# Allegro board trx_layout.brd (continued)
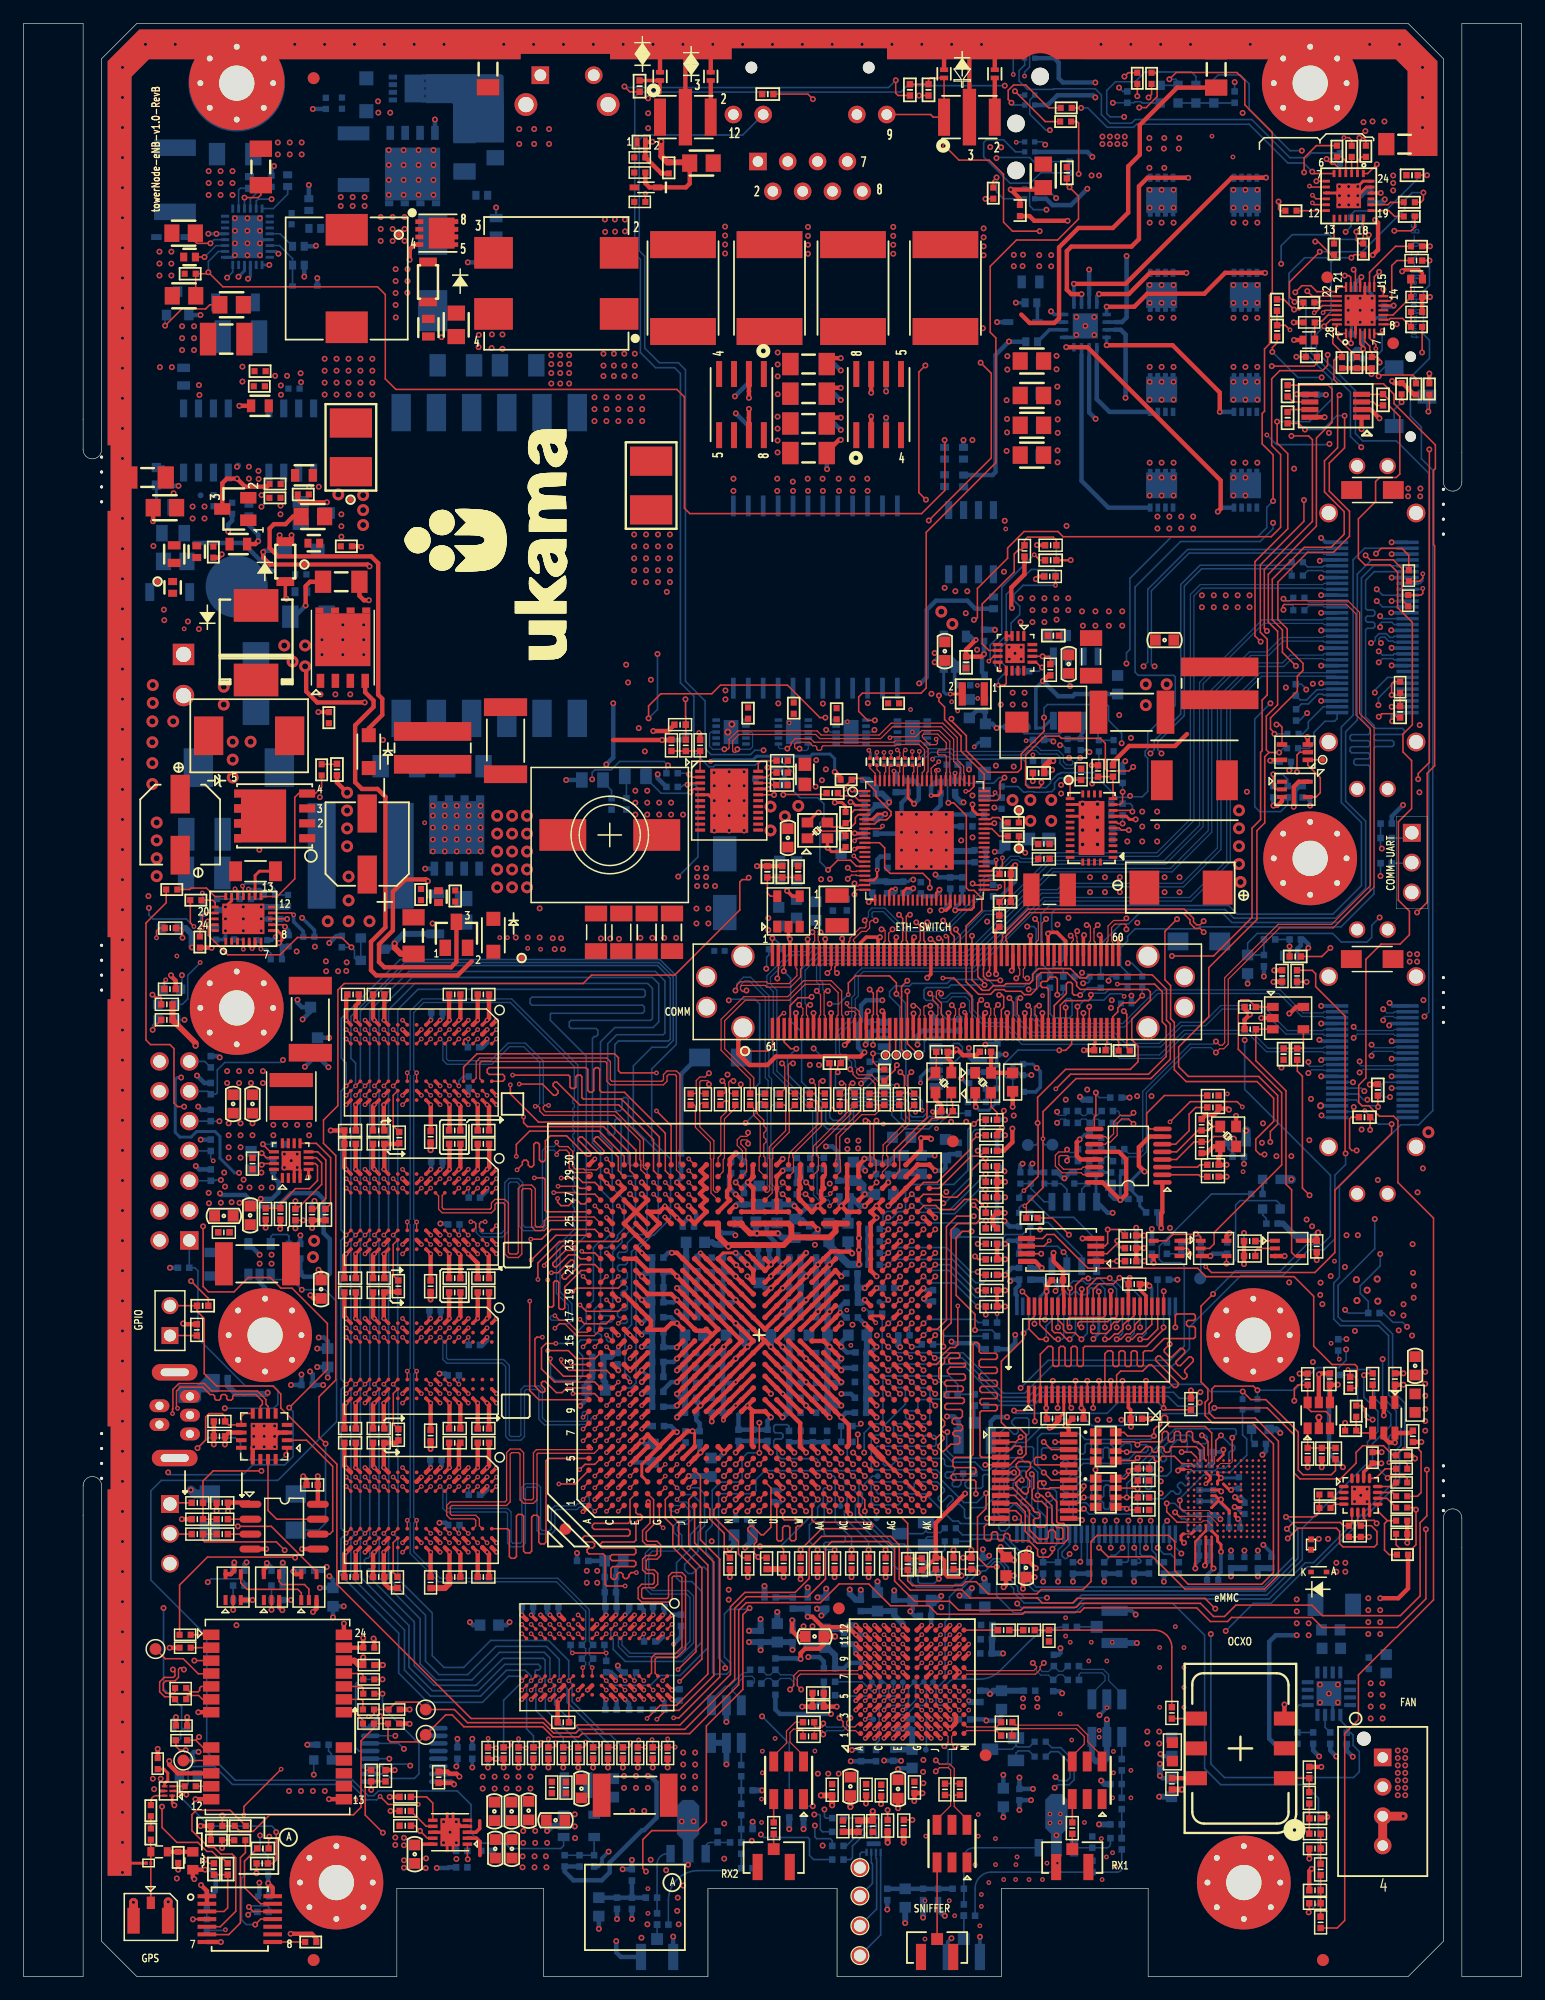
[diagram p0: board, top side]
## Routing (per net, layer and track width the routed paths; a pad name or vN(x,y) marks a point on that pad's centre or on a via; arc(x,y) is an arc through that point) (continued)
7130_DDR3_DQ9: length 29.6
  TOP w0.137: U1.G2 v2(54.67,41.61) ; U35.B8 v2(54.44,24.38)
  L6-SIGNAL w0.127: v2(54.67,41.61) 54.67,38.71 54.99,38.39 54.99,38 54.36,37.38 54.36,33.82 54.25,33.71 54.25,33.51 54.37,33.39 54.5,33.39 54.74,33.63 54.74,37.19 54.87,37.32 55,37.32 55.13,37.19 55.13,33.31 54.74,32.93 53.67,32.93 53.47,32.74 53.47,31.65 54.03,31.09 54.03,28.81 53.67,28.44 53.67,26.39 53.28,26.01 53.28,25.55 v2(54.44,24.38)
7130_DDR3_DQ10: length 29.6
  TOP w0.137: U35.C8 v2(53.64,24.38) ; U1.G3 v2(54.67,42.61)
  L6-SIGNAL w0.127: v2(54.67,42.61) 54.1,42.61 53.97,42.74 53.97,44.03 53.84,44.15 53.66,44.15 53.53,44.03 53.53,42.68 53.4,42.56 53.19,42.56 53.06,42.68 53.06,44.02 52.93,44.14 52.68,44.14 52.56,44.02 52.56,40.08 52.68,39.96 53.24,39.96 53.5,39.7 53.5,34.1 52.73,33.33 52.73,32.1 52.43,31.8 52.43,28.85 52.43,28.84 52.43,28.81 52.12,28.5 52.12,25.96 52.43,25.64 52.43,25.02 52.66,24.79 53.24,24.79 v2(53.64,24.38)
7130_DDR3_DQ11: length 29.6
  TOP w0.137: U35.A7 v2(54.44,25.18) ; U1.G4 v2(54.67,43.61)
  L6-SIGNAL w0.127: v2(54.67,43.61) 55.18,43.11 55.18,39.08 55.67,38.59 55.67,32.65 55.51,32.49 53.98,32.49 53.86,32.36 53.86,32.17 53.98,32.04 55.95,32.04 56.59,31.41 56.59,30.2 56.46,30.08 56.27,30.08 56.14,30.2 56.14,31.28 55.7,31.73 54.49,31.73 54.36,31.6 54.36,31.41 54.49,31.28 54.74,31.28 54.87,31.16 54.87,25.61 v2(54.44,25.18)
7130_DDR3_DQ12: length 29.6
  TOP w0.137: U35.A3 v2(55.24,29.18) ; U1.E1 52.17,39.5 52.32,39.35 52.56,39.35 52.71,39.19 52.71,38.99 52.56,38.84 52.32,38.84 52.17,38.69 52.17,37.15 52.02,37 49.31,37 49.16,36.85 49.16,36.64 49.31,36.49 52.02,36.49 52.17,36.34 52.17,36.07 52.02,35.92 50.13,35.92 49.98,35.77 49.98,35.56 50.13,35.41 52.02,35.41 52.17,35.26 52.17,35.05 52.02,34.9 50.2,34.9 50.05,34.75 50.05,33.97 50.2,33.82 50.4,33.82 50.55,33.97 50.55,34.24 50.71,34.39 50.91,34.39 51.06,34.24 51.06,34.04 51.21,33.89 51.42,33.89 51.57,34.04 51.57,34.2 51.77,34.39 v2(52.2,34.39)
  L3-SIGNAL w0.127: v2(52.2,34.39) 52.78,33.82 52.78,32.81 52.9,32.68 53.09,32.68 53.22,32.81 53.22,32.87 53.35,33 53.54,33 53.67,32.87 53.67,32.72 54.85,31.54 54.85,29.58 v2(55.24,29.18)
7130_DDR3_DQ13: length 29.6
  TOP w0.137: U1.E2 51.67,40.61 51.67,38.74 51.52,38.59 48.61,38.59 48.46,38.43 48.46,38.23 48.61,38.08 51.52,38.08 51.67,37.92 51.67,37.66 51.52,37.51 47.78,37.51 47.63,37.35 47.63,37.15 47.78,37 48.5,37 48.65,36.85 48.65,36.64 48.5,36.49 48.17,36.49 48.01,36.34 48.01,36.13 48.17,35.98 49.39,35.98 49.54,35.83 49.54,33.4 49.69,33.25 v2(51.25,33.25) ; U35.C2 v2(53.64,29.98)
  L3-SIGNAL w0.127: v2(51.25,33.25) 51.25,32.93 51.14,32.82 51.14,32.49 51.04,32.39 50.93,32.39 50.86,32.31 50.86,29.67 50.96,29.57 53.23,29.57 v2(53.64,29.98)
7130_DDR3_DQ14: length 29.6
  TOP w0.137: U35.C3 v2(53.64,29.18) ; U1.E4 v2(51.67,42.61)
  L3-SIGNAL w0.127: v2(53.64,29.18) 54.03,29.57 54.03,31.16 53.91,31.28 51.38,31.28 51.25,31.41 51.25,31.66 51.38,31.79 53.54,31.79 53.67,31.92 53.67,32.11 53.54,32.24 51.7,32.24 51.57,32.36 51.57,32.62 51.7,32.74 52.25,32.74 52.38,32.87 52.38,33.12 52.25,33.25 51.89,33.25 51.82,33.31 51.82,33.63 51.7,33.76 50.87,33.76 50.74,33.63 50.74,33.06 50.36,32.68 50.36,31.92 50.24,31.79 49.6,31.79 49.47,31.92 49.47,32.04 49.6,32.17 49.86,32.17 49.98,32.3 49.98,32.81 50.24,33.06 50.24,35.46 51.14,36.36 51.14,42.08 v2(51.67,42.61)
7130_DDR3_DQ15: length 29.6
  TOP w0.137: U35.A2 v2(55.24,29.98) ; U1.E3 v2(51.67,41.61)
  L6-SIGNAL w0.127: v2(51.67,41.61) 51.67,32.69 50.82,31.84 50.82,28.2 51.66,27.36 51.66,24.19 51.89,23.96 54.64,23.96 54.83,24.15 54.83,24.52 55.37,25.06 55.37,27.29 56.01,27.94 56.01,29.63 55.66,29.98 v2(55.24,29.98)
7130_DDR3_DQ16: length 29.6
  TOP w0.137: U1.D1 v2(50.67,39.61) ; U30.H8 v2(34.69,36.93)
  L6-SIGNAL w0.127: v2(50.67,39.61) 50.67,36.69 50.54,36.56 50.24,36.56 50.11,36.69 50.11,37.25 49.98,37.38 49.66,37.38 49.54,37.25 49.54,36.74 49.41,36.62 49.16,36.62 49.03,36.74 49.03,37.25 48.9,37.38 48.71,37.38 48.59,37.25 48.59,36.74 48.46,36.62 48.2,36.62 48.08,36.74 48.08,37.16 47.95,37.29 45.41,37.29 45.28,37.16 45.28,36.49 45.16,36.36 44.78,36.36 44.65,36.49 44.65,37.16 44.52,37.29 44.14,37.29 44.01,37.16 44.01,36.49 43.89,36.36 43.57,36.36 43.44,36.49 43.44,37.16 43.31,37.29 42.93,37.29 42.81,37.16 42.81,36.49 42.68,36.36 42.36,36.36 42.24,36.49 42.24,37.16 42.11,37.29 41.73,37.29 41.6,37.16 41.6,36.5 41.47,36.38 41.09,36.38 40.97,36.5 40.97,37.16 40.81,37.32 35.08,37.32 v2(34.69,36.93)
7130_DDR3_DQ17: length 29.6
  TOP w0.137: U1.D2 v2(50.67,40.61) ; U30.F7 v2(36.29,37.73)
  L6-SIGNAL w0.127: v2(36.29,37.73) 36.29,38.04 36.73,38.48 40.88,38.48 41,38.35 41,37.95 41.13,37.82 41.49,37.82 41.61,37.95 41.61,38.61 41.74,38.74 42.1,38.74 42.22,38.61 42.22,37.95 42.35,37.82 42.7,37.82 42.83,37.95 42.83,38.61 42.96,38.74 43.31,38.74 43.44,38.61 43.44,37.95 43.57,37.82 43.92,37.82 44.05,37.95 44.05,38.61 44.18,38.74 44.53,38.74 44.66,38.61 44.66,37.95 44.79,37.82 45.14,37.82 45.27,37.95 45.27,38.61 45.4,38.74 45.75,38.74 45.88,38.61 45.88,37.95 46,37.82 46.36,37.82 46.49,37.95 46.49,38.61 46.62,38.74 46.97,38.74 47.1,38.61 47.1,37.95 47.23,37.82 47.58,37.82 47.71,37.95 47.71,38.53 47.84,38.66 48.19,38.66 48.32,38.53 48.32,37.95 48.45,37.82 48.8,37.82 48.93,37.95 48.93,38.61 49.05,38.74 49.41,38.74 49.54,38.61 49.54,37.95 49.66,37.82 50.04,37.82 50.17,37.95 50.17,40.11 v2(50.67,40.61)
7130_DDR3_DQ18: length 29.6
  TOP w0.137: U1.C2 v2(49.67,40.61) ; U30.H7 v2(34.69,37.73)
  L6-SIGNAL w0.127: v2(34.69,37.73) 34.69,39.5 35,39.8 40.5,39.8 40.62,39.68 40.62,39.47 40.5,39.35 35.87,39.35 35.75,39.22 35.75,39.02 35.87,38.89 40.85,38.89 41.16,39.19 48.93,39.19 49.16,39.42 49.16,40.1 v2(49.67,40.61)
7130_DDR3_DQ19: length 29.6
  TOP w0.137: U30.F8 v2(36.29,36.93) ; U1.C1 v2(49.67,39.61)
  L3-SIGNAL w0.127: v2(49.67,39.61) 49.67,36.62 49.8,36.49 50.05,36.49 50.17,36.62 50.17,38.9 50.3,39.03 50.55,39.03 50.68,38.9 50.68,36.49 49.86,35.66 49.86,33.31 49.22,32.68 47.38,32.68 44.52,35.54 37.09,35.54 36.69,35.94 36.69,36.53 v2(36.29,36.93)
7130_DDR3_DQ20: length 29.6
  TOP w0.137: v2(34.69,41.73) 34.29,41.33 U30.H3 ; U1.A3 v2(47.67,41.61)
  L6-SIGNAL w0.127: v2(34.69,41.73) 35.09,41.33 40.34,41.33 40.47,41.2 40.47,40.92 40.34,40.79 34.73,40.79 34.6,40.67 34.6,40.39 34.73,40.26 42.76,40.26 43.29,39.73 46.64,39.73 47.02,40.11 48.01,40.11 48.17,40.26 48.17,41.46 48.01,41.61 v2(47.67,41.61)
7130_DDR3_DQ21: length 29.6
  TOP w0.137: v2(37.09,41.73) 36.69,41.33 U30.E3 ; U1.B3 v2(48.67,41.61)
  L6-SIGNAL w0.127: v2(48.67,41.61) 48.14,42.14 47.3,42.14 45.35,40.19 43.54,40.19 43.39,40.34 43.39,40.57 43.54,40.72 44.28,40.72 44.43,40.87 44.43,41.1 44.28,41.25 40.98,41.25 40.85,41.38 40.85,41.66 40.98,41.79 44.31,41.79 44.43,41.91 44.43,42.19 44.31,42.32 41.28,42.32 41.16,42.45 41.16,42.73 41.28,42.85 42.55,42.85 42.68,42.98 42.68,43.26 42.55,43.39 40.98,43.39 40.85,43.26 40.85,43.06 40.72,42.93 37.62,42.93 37.5,42.8 37.5,42.13 v2(37.09,41.73)
7130_DDR3_DQ22: length 29.6
  TOP w0.137: U1.A4 46.99,41.94 v2(45.6,41.94) ; U30.G2 v2(35.49,42.53)
  L6-SIGNAL w0.127: v2(35.49,42.53) 35.9,42.93 35.9,44.55 36.02,44.68 40.4,44.68 40.53,44.81 40.53,45.16 40.4,45.29 36.02,45.29 35.9,45.42 35.9,45.76 36.02,45.89 45.45,45.89 45.6,45.74 v2(45.6,41.94)
7130_DDR3_DQ23: length 29.6
  TOP w0.137: U1.B4 v2(48.67,42.61) ; U30.F2 v2(36.29,42.53)
  L6-SIGNAL w0.127: v2(36.29,42.53) 36.7,42.94 36.7,43.94 36.83,44.07 40.88,44.07 41,44.2 41,45.16 41.13,45.29 44.99,45.29 45.12,45.16 45.12,44.81 44.99,44.68 41.59,44.68 41.46,44.55 41.46,44.2 41.59,44.07 44.91,44.07 45.04,43.94 45.04,43.59 44.91,43.46 43.79,43.46 43.66,43.33 43.66,42.98 43.79,42.85 44.84,42.85 44.97,42.73 44.97,41.63 45.22,41.38 45.79,41.38 47.02,42.61 v2(48.67,42.61)
7130_DDR3_DQ24: length 29.6
  TOP w0.137: U30.D7 v2(37.89,37.73) ; U1.B5 48.67,43.61 47.83,43.61 v2(47.38,43.16)
  L3-SIGNAL w0.127: v2(37.89,37.73) 37.89,38.84 38.02,38.97 42.09,38.97 42.22,39.09 42.22,39.45 42.09,39.58 36.1,39.58 35.97,39.7 35.97,40.06 36.1,40.19 46.51,40.19 46.64,40.31 46.64,43.03 46.77,43.16 v2(47.38,43.16)
7130_DDR3_DQ25: length 29.6
  TOP w0.137: U1.A5 44.71,44.11 44.51,43.91 44.51,36.98 44.36,36.83 44.05,36.83 43.9,36.98 43.9,39.12 43.75,39.27 43.44,39.27 43.29,39.12 43.29,36.22 43.14,36.07 42.76,36.07 42.6,36.22 42.6,39.19 42.45,39.35 42.15,39.35 41.99,39.19 41.99,35.77 41.84,35.61 41.54,35.61 41.38,35.77 41.38,37.98 41.23,38.13 U30.A7
7130_DDR3_DQ26: length 29.6
  TOP w0.137: U30.C8 v2(38.69,36.93) ; U1.C5 v2(49.67,43.61)
  L3-SIGNAL w0.127: v2(38.69,36.93) 38.69,38.33 38.82,38.46 42.11,38.46 42.24,38.33 42.24,37.72 42.36,37.59 42.68,37.59 42.81,37.72 42.81,39.47 42.93,39.6 47.12,39.6 47.25,39.47 47.25,39.16 47.12,39.03 43.57,39.03 43.44,38.9 43.44,38.65 43.57,38.52 48.08,38.52 48.2,38.65 48.2,43.49 48.33,43.61 v2(49.67,43.61)
7130_DDR3_DQ27: length 29.6
  TOP w0.137: U30.B8 v2(39.49,36.93) ; U1.D5 v2(50.67,43.61)
  L3-SIGNAL w0.127: v2(50.67,43.61) 50.15,43.09 49.28,43.09 49.16,42.96 49.16,37.51 49.03,37.38 48.71,37.38 48.59,37.51 48.59,37.89 48.46,38.01 48.2,38.01 48.08,37.89 48.08,37.51 47.95,37.38 47.63,37.38 47.51,37.51 47.51,37.89 47.38,38.01 47.06,38.01 46.93,37.89 46.93,37.51 46.81,37.38 46.49,37.38 46.36,37.51 46.36,37.89 46.24,38.01 45.85,38.01 45.73,37.89 45.73,37.51 45.6,37.38 45.22,37.38 45.09,37.51 45.09,37.89 44.97,38.01 44.58,38.01 44.46,37.89 44.46,36.43 44.33,36.3 43.95,36.3 43.82,36.43 43.82,37.44 43.7,37.57 43.31,37.57 43.19,37.44 43.19,36.3 43.06,36.17 42.68,36.17 42.55,36.3 42.55,36.93 42.43,37.06 41.98,37.06 41.85,36.93 41.85,36.24 41.73,36.11 41.41,36.11 41.28,36.24 41.28,37.76 41.16,37.89 39.62,37.89 39.49,37.76 v2(39.49,36.93)
7130_DDR3_DQ28: length 29.6
  TOP w0.137: U30.C3 v2(38.69,41.73) ; U1.B7 v2(48.67,45.61)
  L3-SIGNAL w0.127: v2(48.67,45.61) 48.2,45.14 44.46,45.14 44.33,45.27 44.33,45.7 44.2,45.82 41.22,45.82 41.09,45.7 41.09,45.44 41.22,45.32 43.7,45.32 43.82,45.19 43.82,44.94 43.7,44.81 41.22,44.81 41.09,44.68 41.09,44.43 41.22,44.3 45.49,44.3 45.62,44.17 45.62,43.92 45.49,43.79 41.47,43.79 41.35,43.67 41.35,42.24 41.22,42.12 39.08,42.12 v2(38.69,41.73)
7130_DDR3_DQ29: length 29.6
  TOP w0.137: U1.A7 v2(47.67,45.61) ; U30.A2 v2(40.29,42.53)
  L3-SIGNAL w0.127: v2(47.67,45.61) 44.97,45.61 44.84,45.74 44.84,47.22 44.71,47.35 39.76,47.35 39.63,47.22 39.63,46.97 39.76,46.84 44.2,46.84 44.33,46.71 44.33,46.46 44.2,46.33 39.76,46.33 39.63,46.21 39.63,45.95 39.76,45.82 40.47,45.82 40.59,45.7 40.59,45.44 40.47,45.32 39.76,45.32 39.63,45.19 39.63,44.94 39.76,44.81 40.52,44.81 40.65,44.68 40.65,44.43 40.52,44.3 39.76,44.3 39.63,44.17 39.63,43.92 39.76,43.79 40.71,43.79 40.84,43.67 40.84,42.66 40.71,42.53 v2(40.29,42.53)
7130_DDR3_DQ30: length 29.6
  TOP w0.137: v2(40.29,41.73) U30.A3 ; U1.C7 v2(49.67,45.61)
  L3-SIGNAL w0.127: v2(49.67,45.61) 48.61,44.55 47.19,44.55 45.92,43.28 45.92,42.82 45.79,42.69 45.54,42.69 45.41,42.82 45.41,43.16 45.28,43.28 45.03,43.28 44.9,43.16 44.9,40.93 44.78,40.81 44.52,40.81 44.39,40.93 44.39,43.16 44.27,43.28 44.01,43.28 43.89,43.16 43.89,40.93 43.76,40.81 43.51,40.81 43.38,40.93 43.38,43.16 43.25,43.28 43,43.28 42.87,43.16 42.87,40.93 42.74,40.81 42.49,40.81 42.36,40.93 42.36,43.16 42.24,43.28 41.98,43.28 41.85,43.16 41.85,40.93 41.73,40.81 41.47,40.81 41.35,40.93 41.35,41.6 41.22,41.73 v2(40.29,41.73)
7130_DDR3_DQ31: length 29.6
  TOP w0.137: U1.D7 v2(50.67,45.61) ; U30.C2 v2(38.69,42.53)
  L3-SIGNAL w0.127: v2(38.69,42.53) 39.1,42.94 39.1,47.73 39.23,47.86 41.09,47.86 41.22,47.98 41.22,51.22 41.09,51.35 40.33,51.35 40.2,51.48 40.2,51.73 40.33,51.86 41.6,51.86 41.73,51.73 41.73,48.49 41.85,48.36 45.22,48.36 45.35,48.24 45.35,46.27 45.47,46.14 50.14,46.14 v2(50.67,45.61)
7130_DDR3_DQ32: length 29.6
  TOP w0.137: v2(43.21,62.78) 44.13,62.78 44.96,63.61 48.67,63.61 U1.B24
  TOP w0.305: U15.H7 v2(34.69,63.13)
  L3-SIGNAL w0.127: v2(34.69,63.13) 35.08,62.74 40.65,62.74 40.77,62.61 40.77,61.32 40.9,61.19 41.09,61.19 41.22,61.32 41.22,62.97 41.35,63.1 41.54,63.1 41.66,62.97 41.66,61.32 41.79,61.19 41.98,61.19 42.11,61.32 42.11,62.97 42.24,63.1 42.49,63.1 42.62,62.97 42.62,61.76 42.74,61.64 44.84,61.64 44.97,61.76 44.97,62.91 44.84,63.03 44.65,63.03 44.52,62.91 44.52,62.31 44.39,62.18 44.2,62.18 44.08,62.31 44.08,62.65 43.95,62.78 v2(43.21,62.78)
7130_DDR3_DQ33: length 29.6
  TOP w0.137: U15.F7 v2(36.29,63.13) ; v2(43.25,61) 45.36,63.11 U1.A24
  L6-SIGNAL w0.127: v2(43.25,61) 43.25,58.97 43.7,58.52 43.7,57.25 42.04,55.6 38.55,55.6 38.3,55.86 38.3,56.37 37.66,57 37.66,60.05 37.54,60.18 37.35,60.18 37.22,60.05 37.22,57.91 37.09,57.79 36.81,57.79 36.69,57.91 36.69,62.73 v2(36.29,63.13)
7130_DDR3_DQ34: length 29.6
  TOP w0.137: v2(43.82,59.35) 43.82,60.76 45.65,62.59 50.65,62.59 U1.D24 ; U15.H8 v2(34.69,62.33)
  L6-SIGNAL w0.127: v2(43.82,59.35) 44.19,58.99 44.19,56.65 42.35,54.82 36.86,54.82 36.71,54.97 36.71,57 35.06,58.65 35.06,61.96 v2(34.69,62.33)
7130_DDR3_DQ35: length 29.6
  TOP w0.137: U15.F8 v2(36.29,62.33) ; U1.C24 v2(49.67,63.61)
  L3-SIGNAL w0.127: v2(49.67,63.61) 48.21,63.61 47.06,62.46 47.06,59.67 47.06,59.66 47.06,59.22 46.94,59.1 46.62,59.1 46.49,59.22 46.49,62.97 46.36,63.1 46.05,63.1 45.92,62.97 45.92,58.71 45.79,58.59 43.44,58.59 43.31,58.71 43.31,60.12 42.69,60.75 36.83,60.75 36.7,60.88 36.7,61.92 v2(36.29,62.33)
7130_DDR3_DQ36: length 29.6
  TOP w0.137: v2(48.67,65.61) U1.B26 ; U15.E3 36.69,66.73 v2(37.09,67.13)
  L3-SIGNAL w0.127: v2(37.09,67.13) 37.09,65 37.22,64.87 37.54,64.87 37.66,65 37.66,65.64 37.79,65.76 38.11,65.76 38.23,65.64 38.23,65 38.36,64.87 38.68,64.87 38.81,65 38.81,65.64 38.93,65.76 39.25,65.76 39.38,65.64 39.38,65 39.5,64.87 39.76,64.87 39.89,65 39.89,65.64 40.01,65.76 40.33,65.76 40.46,65.64 40.46,64.75 40.58,64.62 40.84,64.62 40.97,64.75 40.97,65.64 41.09,65.76 41.35,65.76 41.47,65.64 41.47,64.24 41.6,64.11 41.85,64.11 41.98,64.24 41.98,65.64 42.11,65.76 42.36,65.76 42.49,65.64 42.49,64.24 42.62,64.11 42.87,64.11 43,64.24 43,65.64 43.12,65.76 43.38,65.76 43.51,65.64 43.51,64.18 43.63,64.05 43.89,64.05 44.01,64.18 44.01,65.36 44.14,65.48 48.54,65.48 v2(48.67,65.61)
7130_DDR3_DQ37: length 29.6
  TOP w0.137: U15.H3 34.29,66.73 v2(34.69,67.13) ; v2(43.52,68) 44.31,68 44.43,67.87 44.43,65.24 44.56,65.11 U1.A26
  L6-SIGNAL w0.127: v2(43.52,68) 42.83,68 40.85,66.02 38.36,66.02 38.23,65.89 38.23,65.66 38.11,65.53 37.85,65.53 37.73,65.66 37.73,66.5 37.6,66.63 37.35,66.63 37.22,66.5 37.22,65 37.09,64.87 36.84,64.87 36.71,65 36.71,66.5 36.58,66.63 36.33,66.63 36.2,66.5 36.2,65 36.08,64.87 35.82,64.87 35.69,65 35.69,66.78 35.57,66.91 35.31,66.91 35.19,66.78 35.19,65 35.06,64.87 34.82,64.87 34.69,65 v2(34.69,67.13)
7130_DDR3_DQ38: length 29.6
  TOP w0.137: v2(35.49,67.93) U15.G2 ; U1.D26 v2(50.67,65.61)
  L3-SIGNAL w0.127: v2(50.67,65.61) 50.1,65.05 46.68,65.05 46.55,64.92 46.55,63.86 46.43,63.73 46.11,63.73 45.98,63.86 45.98,64.92 45.85,65.05 45.6,65.05 45.47,64.92 45.47,63.81 45.35,63.68 45.09,63.68 44.97,63.81 44.97,64.92 44.84,65.05 44.58,65.05 44.46,64.92 44.46,63.67 44.33,63.54 36.71,63.54 36.58,63.67 36.58,66.08 36.46,66.21 36.2,66.21 36.08,66.08 36.08,64.94 35.95,64.81 35.62,64.81 35.49,64.94 v2(35.49,67.93)
7130_DDR3_DQ39: length 29.6
  TOP w0.137: v2(36.29,67.93) U15.F2 ; v2(49.67,65.61) U1.C26
  L3-SIGNAL w0.127: v2(49.67,65.61) 49.67,66.39 48.9,67.16 48.33,67.16 48.2,67.29 48.2,67.82 48.08,67.95 47.76,67.95 47.63,67.82 47.63,66.33 47.51,66.21 47.19,66.21 47.06,66.33 47.06,67.41 46.93,67.54 46.62,67.54 46.49,67.41 46.49,65.99 46.36,65.86 44.65,65.86 44.52,65.99 44.52,67.16 44.39,67.29 44.14,67.29 44.01,67.16 44.01,66.27 43.89,66.14 43.63,66.14 43.51,66.27 43.51,67.22 43.38,67.35 43.12,67.35 43,67.22 43,66.27 42.87,66.14 42.62,66.14 42.49,66.27 42.49,67.73 42.36,67.86 42.11,67.86 41.98,67.73 41.98,66.27 41.85,66.14 38.44,66.14 38.31,66.27 38.31,67.42 38.18,67.55 36.67,67.55 v2(36.29,67.93)
7130_DDR3_DQ40: length 29.6
  TOP w0.137: U1.B28 48.67,67.61 47.63,67.61 47.26,67.99 v2(45.8,67.99) ; U15.D7 v2(37.89,63.13)
  L6-SIGNAL w0.127: v2(37.89,63.13) 38.28,62.74 38.28,57.19 38.75,56.72 42.22,56.72 42.58,57.08 42.58,63.22 44.95,65.59 45.61,65.59 46.16,66.14 46.16,67.21 46.31,67.36 46.51,67.36 46.62,67.26 46.9,67.26 47.02,67.39 47.02,67.57 46.6,67.99 v2(45.8,67.99)
7130_DDR3_DQ41: length 29.6
  TOP w0.137: U1.A28 47.38,67.11 47.2,67.29 v2(45.54,67.29)
  TOP w0.152: v2(40.29,63.93) U15.A7
  L6-SIGNAL w0.127: v2(45.54,67.29) 45.32,67.29 45.19,67.41 45.19,68.25 45.07,68.38 44.79,68.38 44.66,68.25 44.66,67.41 44.53,67.29 44.25,67.29 41.54,64.57 39.99,64.57 39.86,64.7 39.86,64.9 39.99,65.03 41.23,65.03 43.29,67.08 43.29,67.24 43.09,67.43 42.91,67.43 40.98,65.5 38.97,65.5 38.49,65.03 38.03,65.03 37.12,64.11 36.61,64.11 36.48,63.99 36.48,63.71 36.61,63.58 38.11,63.58 38.49,63.2 39.56,63.2 v2(40.29,63.93)
7130_DDR3_DQ42: length 29.6
  TOP w0.137: U15.C8 v2(38.69,62.33) ; v2(45.17,66.74) 45.17,66.75 47.07,66.75 47.2,66.61 48.67,66.61 U1.B27
  L6-SIGNAL w0.127: v2(45.17,66.74) 44.52,66.74 41.58,63.8 41.58,58.71 41.45,58.59 41.16,58.59 41.03,58.71 41.03,60.68 40.9,60.81 40.65,60.81 40.52,60.68 40.52,58.75 40.39,58.63 40.01,58.63 39.89,58.75 39.89,61.81 40.01,61.94 40.97,61.94 41.09,62.07 41.09,63.41 40.97,63.54 40.67,63.54 40.55,63.41 40.55,62.87 40.42,62.74 39.1,62.74 v2(38.69,62.33)
7130_DDR3_DQ43: length 29.6
  TOP w0.137: U15.B8 v2(39.49,62.33) ; U1.A27 48.14,66.11 47.81,65.79 47.47,65.79 47.15,66.11 46.76,66.11 46.65,66 46.65,65.85 46.44,65.64 45.79,65.64 45.5,65.93 v2(45.5,66.25)
  L6-SIGNAL w0.127: v2(39.49,62.33) 39.1,61.94 39.1,61.06 38.95,60.91 38.79,60.91 38.64,60.76 38.64,60.45 38.79,60.3 39.33,60.3 39.48,60.15 39.48,59.92 39.33,59.77 38.79,59.77 38.72,59.69 38.72,59.39 38.87,59.24 39.25,59.24 39.4,59.08 39.4,58.82 39.29,58.7 38.79,58.7 38.72,58.63 38.72,58.17 38.87,58.02 38.95,58.02 39.1,57.86 39.1,57.33 39.25,57.18 39.57,57.18 39.7,57.3 39.7,58.07 39.82,58.19 40.2,58.19 40.33,58.07 40.33,57.3 40.46,57.18 40.77,57.18 40.9,57.3 40.9,58.07 41.03,58.19 41.35,58.19 41.47,58.07 41.47,57.3 41.6,57.18 41.92,57.18 42.04,57.3 42.04,63.6 44.69,66.25 v2(45.5,66.25)
7130_DDR3_DQ44: length 29.6
  TOP w0.137: U1.D30 51.17,69.85 49.03,71.99 43.12,71.99 41.98,70.84 v2(41.98,69.83) ; v2(38.69,67.93) U15.C2
  L6-SIGNAL w0.127: v2(38.69,67.93) 39.09,68.33 39.09,69.38 38.96,69.51 35.38,69.51 35.25,69.64 35.25,69.95 35.38,70.08 40.58,70.08 40.71,69.95 40.71,68.11 40.84,67.99 41.16,67.99 41.28,68.11 41.28,69.95 41.44,70.11 41.82,70.11 41.98,69.95 v2(41.98,69.83)
7130_DDR3_DQ45: length 29.6
  TOP w0.137: U15.C3 v2(38.69,67.13) ; U1.D29 50.67,68.61 50.67,69.77 48.95,71.49 48.77,71.49 48.61,71.33 48.61,71.15 49.45,70.31 49.45,70.13 49.33,70.01 49.09,70.01 47.6,71.49 47.41,71.49 47.25,71.33 47.25,71.22 48.34,70.14 48.34,69.96 48.23,69.85 47.99,69.85 46.26,71.58 44.88,71.58 44.46,71.16 44.46,69.53 44.31,69.38 44.1,69.38 43.95,69.53 43.95,70.85 43.8,71.01 43.63,71.01 43.47,70.85 43.47,69.09 43.32,68.94 43.15,68.94 43,69.09 43,69.36 42.84,69.51 42.64,69.51 42.49,69.36 42.49,69.13 v2(42.04,68.68)
  L6-SIGNAL w0.127: v2(38.69,67.13) 39.31,66.51 40.63,66.51 42.04,67.92 v2(42.04,68.68)
7130_DDR3_DQ46: length 29.6
  TOP w0.137: U1.C30 49.67,69.61 v2(49.67,69.61) ; U15.A2 v2(40.29,67.93)
  L3-SIGNAL w0.127: v2(40.29,67.93) 40.73,67.93 41,68.2 41,74.21 41.13,74.34 41.41,74.34 41.54,74.21 41.54,71.95 41.66,71.83 41.94,71.83 42.07,71.95 42.07,72.37 42.2,72.49 45.28,72.49 47.63,70.15 47.81,70.15 48.01,70.35 48.01,70.53 45.21,73.32 45.21,73.5 45.41,73.69 45.59,73.69 v2(49.67,69.61)
7130_DDR3_DQ47: length 29.6
  TOP w0.137: v2(40.29,67.13) U15.A3 ; U1.C29 v1(49.67,68.61)
  L3-SIGNAL w0.127: v1(49.67,68.61) 49.55,68.49 45.79,68.49 45.66,68.62 45.66,69.19 45.54,69.32 45.22,69.32 45.09,69.19 45.09,67.92 44.97,67.8 44.65,67.8 44.52,67.92 44.52,71.86 44.39,71.99 44.01,71.99 43.89,71.86 43.89,68.75 43.76,68.62 43.38,68.62 43.25,68.75 43.25,71.86 43.12,71.99 42.74,71.99 42.62,71.86 42.62,70.46 42.49,70.34 42.17,70.34 42.04,70.46 42.04,71.22 41.92,71.35 41.6,71.35 41.47,71.22 41.47,67.32 41.28,67.13 v2(40.29,67.13)
7130_DDR3_DQ48: length 29.6
  TOP w0.137: U11.E3 36.69,79.43 v2(37.09,79.83) ; v2(41.47,75.92) 41.47,75.15 43.87,72.75 49.79,72.75 52.17,70.37 U1.E30
  L3-SIGNAL w0.127: v2(41.47,75.92) 41.47,75.54 41.66,75.35 42.74,75.35 42.87,75.48 42.87,76.94 41.73,78.08 37.22,78.08 37.09,78.21 37.09,78.46 37.22,78.59 38.64,78.59 38.77,78.72 38.77,78.97 38.64,79.1 37.22,79.1 37.09,79.23 v2(37.09,79.83)
7130_DDR3_DQ49: length 29.6
  TOP w0.137: U11.F7 v2(36.29,75.83) ; v2(42.6,73.18) 42.6,72.7 42.93,72.37 49.41,72.37 51.67,70.11 51.67,68.61 U1.E29
  L3-SIGNAL w0.127: v2(36.29,75.83) 36.29,76.43 36.42,76.56 40.46,76.56 40.65,76.36 40.65,75.54 41.28,74.91 42.88,74.91 43.37,75.39 43.37,76.32 43.49,76.45 43.77,76.45 43.9,76.32 43.9,75.17 43.21,74.49 42.17,74.49 42.04,74.36 42.04,74.15 42.17,74.02 42.87,74.02 43,73.89 43,73.7 42.87,73.57 42.73,73.57 42.6,73.45 v2(42.6,73.18)
7130_DDR3_DQ50: length 29.6
  TOP w0.137: U1.E28 v2(51.67,67.61) ; U11.H8 v2(34.69,75.03)
  L6-SIGNAL w0.127: v2(34.69,75.03) 35.06,74.66 35.06,73 35.19,72.88 36.33,72.88 36.46,72.75 36.46,72.05 36.58,71.92 40.65,71.92 40.77,71.8 40.77,71.54 40.65,71.41 37.97,71.41 37.84,71.29 37.84,71.1 37.97,70.97 44.58,70.97 44.71,70.84 44.71,69.5 44.84,69.37 47.1,69.37 47.37,69.1 50.18,69.1 v2(51.67,67.61)
7130_DDR3_DQ51: length 29.6
  TOP w0.137: U1.E27 v1(51.67,66.61) ; U11.F8 v2(36.29,75.03)
  L6-SIGNAL w0.127: v2(36.29,75.03) 35.9,74.63 35.9,74.07 36.65,73.32 40.16,73.32 40.29,73.19 40.29,72.94 40.16,72.81 37.05,72.81 36.92,72.68 36.92,72.41 37.05,72.28 41.33,72.28 42.11,71.5 45.7,71.5 47.07,70.13 49.77,70.13 52.13,67.77 52.13,67.07 v1(51.67,66.61)
7130_DDR3_DQ52: length 29.6
  TOP w0.137: U11.H3 34.29,79.43 v2(34.69,79.83) ; U1.G30 54.17,71.48 50.93,74.72 47.7,74.72 47.57,74.84 47.57,76.62 47.44,76.75 47.19,76.75 47.06,76.62 47.06,75.75 46.93,75.62 46.68,75.62 46.55,75.75 46.55,76.62 46.43,76.75 v2(41.66,76.75)
  L3-SIGNAL w0.127: v2(34.69,79.83) 34.69,78.58 36.02,77.25 36.2,77.07 41.35,77.07 v2(41.66,76.75)
7130_DDR3_DQ53: length 29.6
  TOP w0.137: v2(42.24,75.99) 44.2,75.99 45.16,75.03 45.35,75.03 45.54,75.22 45.54,75.42 45.12,75.83 45.12,76.01 45.26,76.15 45.44,76.15 47.38,74.21 50.72,74.21 53.67,71.26 53.67,68.61 U1.G29 ; U11.F2 v2(36.29,80.63)
  L3-SIGNAL w0.127: v2(36.29,80.63) 35.91,80.25 35.91,78.34 36.67,77.57 41.67,77.57 42.24,77.01 v2(42.24,75.99)
7130_DDR3_DQ54: length 29.6
  TOP w0.137: U11.G2 v2(35.49,80.63) ; U1.G28 v2(53.67,67.61)
  L6-SIGNAL w0.127: v2(35.49,80.63) 35.1,80.23 35.1,77.89 35.22,77.76 35.63,77.76 35.74,77.87 35.74,78.28 35.88,78.42 36.06,78.42 37.5,76.99 37.5,73.84 37.62,73.71 40.55,73.71 42.15,72.11 45.6,72.11 47.12,70.59 49.92,70.59 52.36,68.15 53.13,68.15 v2(53.67,67.61)
7130_DDR3_DQ55: length 29.6
  TOP w0.137: U11.H7 v2(34.69,75.83) ; v2(53.67,66.61) U1.G27
  L6-SIGNAL w0.127: v2(53.67,66.61) 53.15,66.09 51.44,66.09 50.45,67.08 48.41,67.08 46.58,68.91 44.27,68.91 44.14,69.04 44.14,70.4 44.01,70.53 37.54,70.53 36.91,71.16 35.24,71.16 35.12,71.29 35.12,71.67 35.24,71.8 35.69,71.8 35.82,71.92 35.82,72.24 35.69,72.37 34.42,72.37 34.3,72.49 34.3,75.43 v2(34.69,75.83)
7130_DDR3_DQ56: length 28.8
  TOP w0.137: U11.D7 37.49,77.43 38.62,78.56 50.35,78.56 50.68,78.23 50.68,77.13 50.87,76.94 v2(53.92,76.94) ; v2(53.92,73.7) 55.17,72.45 U1.H30
  L3-SIGNAL w0.127: v2(53.92,73.7) 53.92,74.65 54.11,74.84 54.49,74.84 54.68,75.03 54.68,75.35 54.49,75.54 54.11,75.54 53.92,75.73 v2(53.92,76.94)
7130_DDR3_DQ57: length 29.6
  TOP w0.137: U1.H29 54.67,68.61 54.67,71.81 51.19,75.29 49.25,75.29 49.09,75.44 49.09,77.23 48.94,77.38 48.74,77.38 48.59,77.23 48.59,75.44 48.43,75.29 48.23,75.29 48.08,75.44 48.08,77.23 47.92,77.38 39.66,77.38 39.5,77.23 39.5,76.96 39.66,76.81 40.83,76.81 40.98,76.66 40.98,76.38 40.83,76.23 U11.A7
7130_DDR3_DQ58: length 29.7
  TOP w0.137: U11.C8 v2(38.69,75.03) ; U1.H28 v2(54.67,67.61)
  L6-SIGNAL w0.127: v2(54.67,67.61) 54.67,68.2 53.96,68.91 52.51,68.91 47.94,73.48 43.14,73.48 42.22,74.4 41.61,74.4 37.65,78.36 37.42,78.36 37.27,78.21 37.27,77.98 38,77.25 38.21,77.04 39.28,75.98 39.28,75.8 39.07,75.59 38.89,75.59 38.35,76.14 38.17,76.14 37.99,75.96 37.99,75.73 v2(38.69,75.03)
7130_DDR3_DQ59: length 29.6
  TOP w0.137: v2(54.67,66.61) U1.H27 ; U11.B8 v2(39.49,75.03)
  L6-SIGNAL w0.127: v2(54.67,66.61) 54.22,67.07 54.22,67.89 53.56,68.54 52.42,68.54 47.95,73.01 47.77,73.01 47.6,72.84 47.6,72.66 48.94,71.31 48.94,71.1 48.83,70.98 48.64,70.98 46.67,72.94 46.5,72.94 46.36,72.81 46.36,72.63 47.72,71.26 47.72,71.06 47.62,70.96 47.44,70.96 45.82,72.58 42.55,72.58 40.47,74.65 39.87,74.65 v2(39.49,75.03)
7130_DDR3_DQ60: length 29.6
  TOP w0.127: v2(56.67,69.61) U1.K30
  TOP w0.137: U11.C2 v2(38.69,80.63)
  L6-SIGNAL w0.127: v2(56.67,69.61) 56.3,69.98 52.89,69.98 45.83,77.04 43.68,79.19 43.5,79.19 43.34,79.02 43.34,78.84 45.13,77.06 45.13,76.85 45.02,76.75 44.75,76.75 42.71,78.79 42.34,78.79 40.88,80.24 39.08,80.24 v2(38.69,80.63)
